# KiCad board PC110.kicad_pcb (continued)
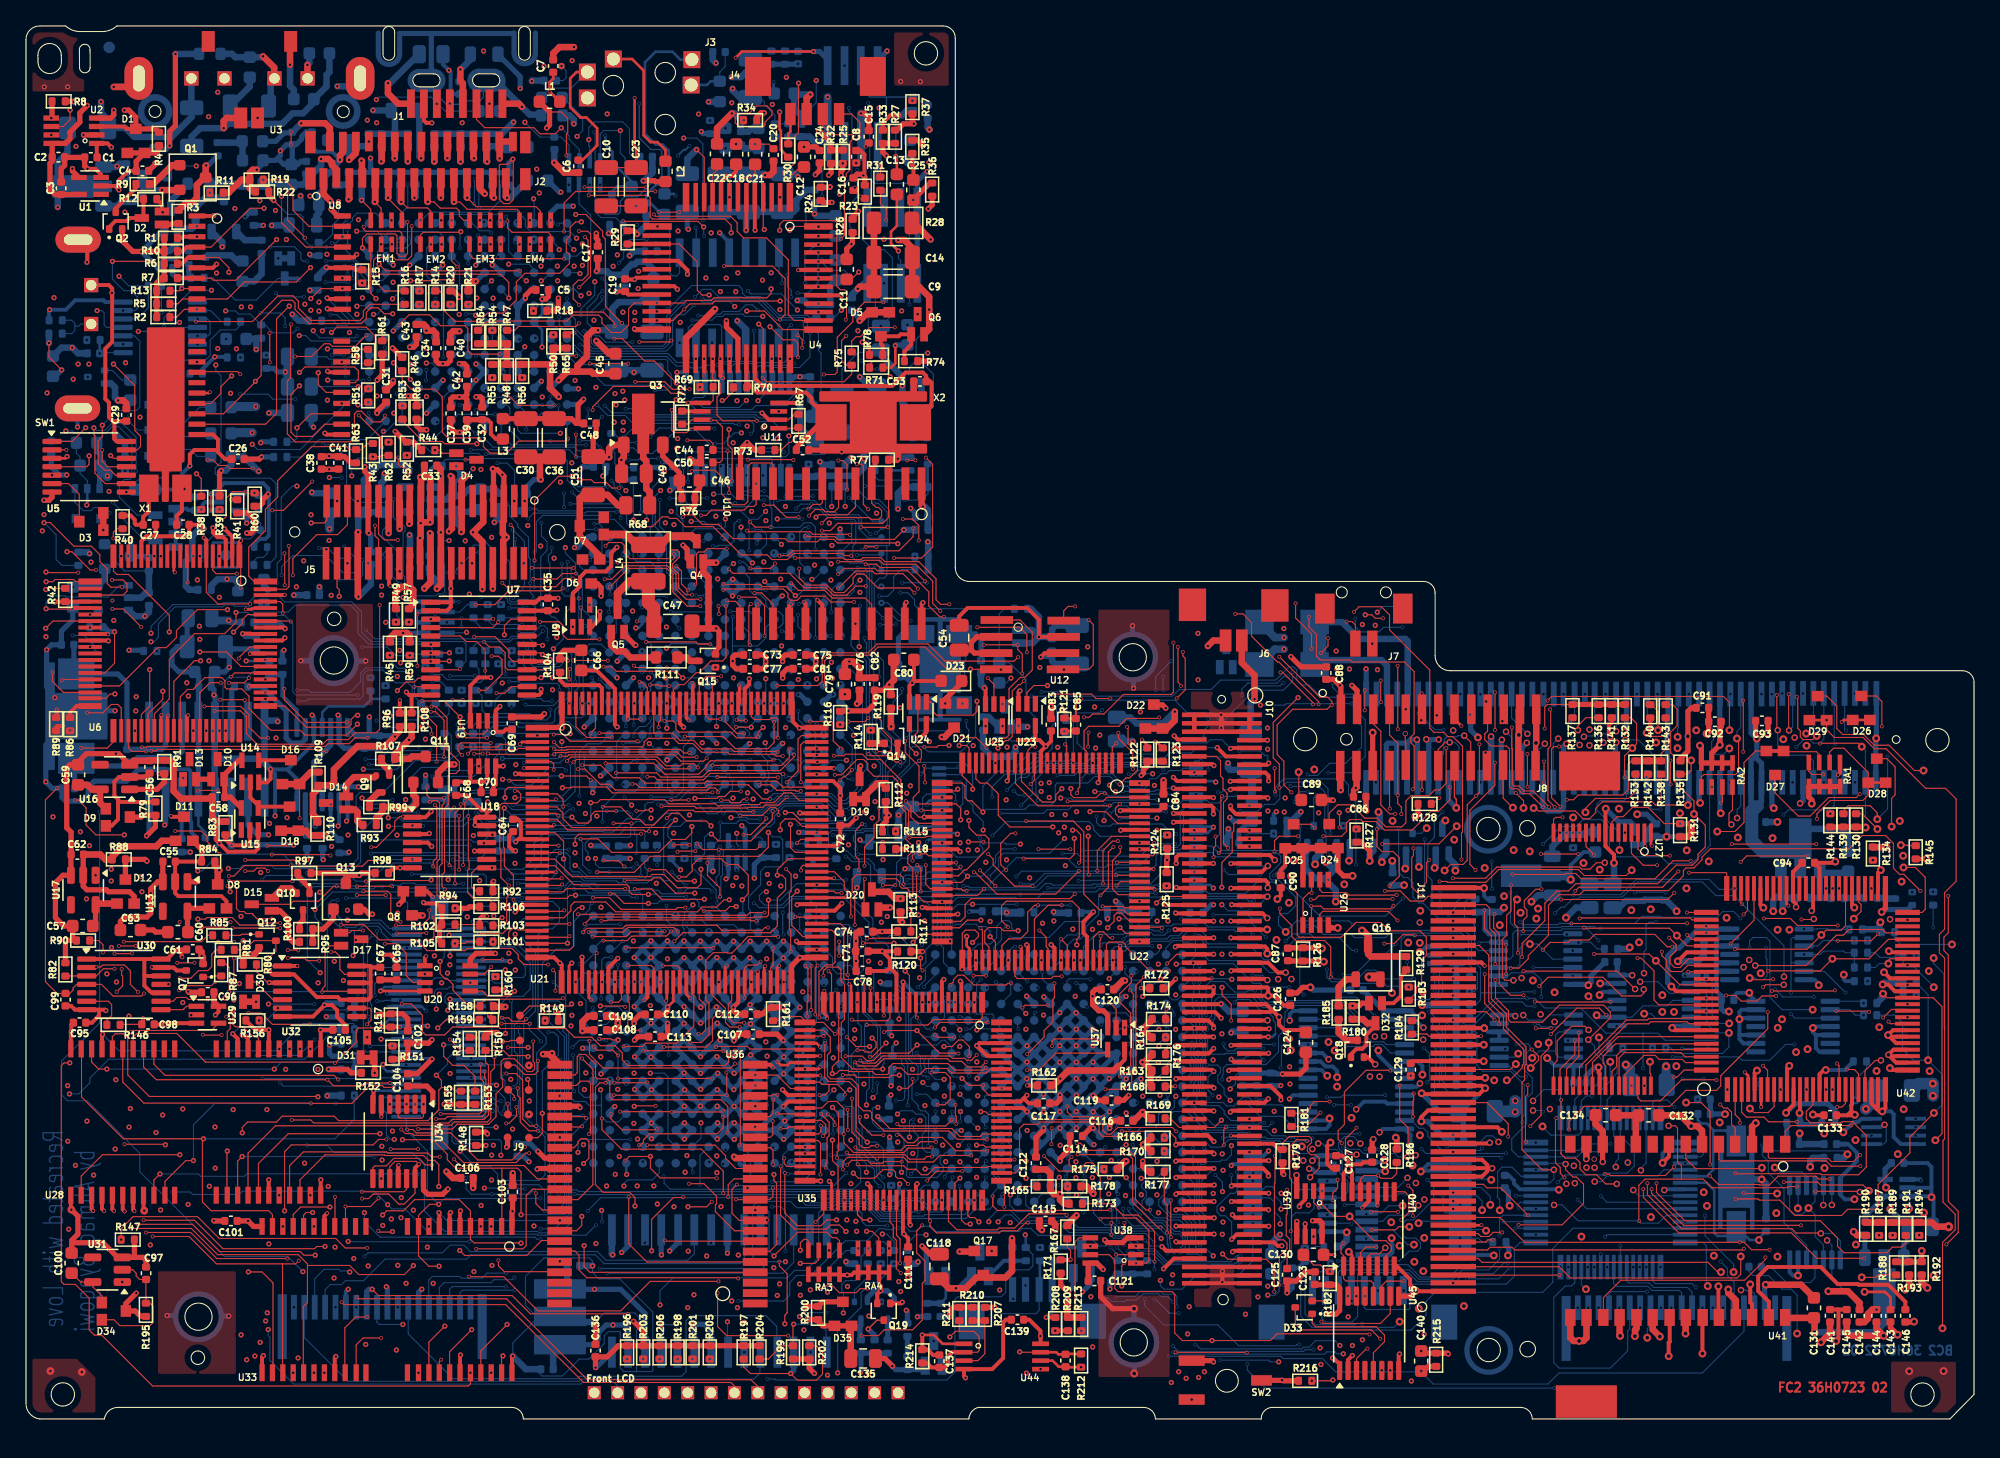
[diagram p0: board, top side]
## Routing (per net, layer and track width the routed paths; a pad name or vN(x,y) marks a point on that pad's centre or on a via; arc(x,y) is an arc through that point) (continued)
  IC4 w0.08: v1(73.73,45.38) 74.48,44.63 74.48,41.74 73.61,40.87 71.58,40.87 70.91,40.2 70.91,35.28 70.02,34.39 70.02,30.03 71.13,28.92 71.13,24.67 70.61,24.15 v1(69.24,24.15)
  BC1 w0.08: v7(70.77,18.65) 68.92,18.65 68.36,19.21 68.05,19.21 67.85,19.01 67.85,18.06 68,17.91 68,17.43 67.82,17.25 66.29,17.25 66.24,17.3 65.81,17.3 65.65,17.14 65.65,16.14 66.01,15.78 66.01,14.74 66.37,14.38 66.37,12.87 65.96,12.46 65.42,12.46 64.34,11.38 64.34,5.16 65.35,4.15 65.35,3.29 65.01,2.95 62.16,2.95 v1(61.74,3.37)
  BC2 w0.08: 71.3,19.27 71.3,19.28 71.3,19.28 70.77,18.75 v7(70.77,18.65) ; v1(73.73,45.38) 73.73,46.04 72.94,46.83 72.94,47.29 72.44,47.79 72.44,49.24 72.03,49.65 U59.19 ; v2(122.03,27.52) 122.03,26.05 121.3,25.32 U67.7
SA3: length 144.3
  FC2 w0.08: v3(68.29,26.2) 68.29,25.85 67.92,25.48 v1(67.27,25.48) ; v3(51.8,29.68) 52.05,29.68 52.35,29.98 52.35,31.88 51.86,32.36 U21.58 ; v3(68.63,47.41) 68.64,47.4 71.65,47.4 72,47.05 v1(72,46.17) ; v3(63.26,19.59) 63.6,19.93 64.82,19.93 65.04,19.71 65.96,19.71 66.08,19.83 v3(67.45,19.83) ; v3(54.69,16.92) 54.71,16.9 U36.11 57.29,16.9 57.53,17.14 v3(57.53,17.8) ; v3(68.63,30.93) 68.55,31.01 U35.11 ; v3(62.58,73.86) 62.91,73.86 63.24,73.53 v3(63.24,71.62)
  FC1 w0.08: v3(68.29,26.2) 68.83,26.74 68.83,27.77 68.18,28.42 68.18,30.48 v3(68.63,30.93) ; v3(54.69,16.92) 54.69,16.45 54.21,15.97 52.37,15.97 51.85,16.49 51.85,21.73 51.56,22.02 51.56,28.22 51.8,28.46 v3(51.8,29.68) ; v1(68.05,21.72) 68.05,21 67.45,20.4 v3(67.45,19.83) ; v3(61.04,87.25) 61.04,87.02 61.5,86.56 61.5,81.93 62.27,81.16 62.27,74.17 v3(62.58,73.86) ; v3(68.63,47.41) 68.63,48.99 68.39,49.23 67.04,49.23 66.5,48.69 65.41,48.69 63.9,50.2 63.9,51.19 64.4,51.69 64.4,58.48 63.21,59.67 63.21,66.86 63.78,67.43 63.78,71.08 v3(63.24,71.62) ; v3(57.53,17.8) 62.03,17.8 62.58,18.35 62.58,19.3 62.87,19.59 v3(63.26,19.59)
  IC2 w0.08: v1(67.27,25.48) 67.28,25.47 69.55,25.47 69.73,25.65 73.57,25.65 74.91,26.99 74.91,38.68 71.31,42.28 71.31,45.45 72,46.14 v1(72,46.17)
  BC1 w0.08: v1(68.05,21.72) 73.48,21.72 v7(73.84,21.36) ; v1(67.27,25.48) 67.28,25.47 68.74,25.47 68.96,25.25 68.96,24.88 68.35,24.27 v7(68.35,23.07)
  BC2 w0.08: v7(73.84,21.36) 73.84,21.84 ; U59.18 71.94,49.15 72.15,48.94 72.15,48.9 72.16,48.89 72.16,47.4 72.01,47.25 72.01,47.17 72,47.16 v1(72,46.17) ; v7(68.35,23.07) 68.15,23.07 68.05,22.97 v1(68.05,21.72)
SA4: length 176.1
  FC2 w0.08: v3(51.17,29.01) 52.03,29.01 52.61,29.59 52.61,32.04 52.36,32.29 U21.59 52.36,35.35 52.95,35.94 54.02,35.94 54.05,35.9 54.37,35.9 55.28,36.81 55.28,36.84 55.62,37.19 57.92,37.19 v3(57.94,37.16) ; v3(64,73.58) 64.34,73.58 64.5,73.42 64.5,70.48 v3(64.88,70.1) ; U35.12 68.05,34.18 v1(67.72,34.51) ; v3(68.96,46.89) 68.97,46.9 v3(70.57,46.9) ; v3(65.52,51.43) 66.53,51.43 66.66,51.56 66.66,52.38 65.9,53.14 65.9,53.8 v3(65.61,54.09) ; v3(62.63,36.78) 62.63,35.71 v3(62.64,35.7)
  FC1 w0.08: v3(51.17,29.01) 51.17,20.9 51.43,20.64 51.43,15.92 52.01,15.34 56.29,15.34 ; v3(68.96,46.89) 68.96,49.01 68.55,49.42 67.16,49.42 65.52,51.06 v3(65.52,51.43) ; v3(56.17,16.1) 56.31,15.96 56.31,15.36 56.29,15.34 ; 56.29,15.34 56.29,13.37 55.55,12.63 v1(54.87,12.63) ; v3(64,73.58) 64,74.93 62.46,76.47 62.46,81.27 61.67,82.06 61.67,87.8 61.57,87.9 v3(61.04,87.9) ; v3(57.94,37.16) 58.18,37.16 58.26,37.24 62.17,37.24 v3(62.63,36.78) ; v3(70.57,46.9) 71.68,46.9 71.85,46.73 v1(72.46,46.73) ; v3(65.61,54.09) 65.02,54.68 65.02,61.51 65.38,61.87 65.38,66.53 65.23,66.68 65.23,69.33 64.88,69.68 v3(64.88,70.1) ; v3(62.64,35.7) 65.57,35.7 65.66,35.61 66.62,35.61 v1(67.72,34.51)
  IC2 w0.08: v1(72.46,46.73) 71.66,46.73 71.11,46.18 71.11,45.17 71.12,45.16 71.12,41.64 72.76,40 73.16,40 74.69,38.47 74.69,29.03 73.76,28.1 68,28.1 67.69,28.41 67.69,29.93 68.03,30.27 68.03,30.28 68.43,30.68 68.43,33.8 v1(67.72,34.51)
  BC1 w0.08: v7(75.75,21.64) 76.13,21.26 76.13,19.11 75.94,18.92 74.74,18.92 74.49,18.67 74.49,16.97 73.96,16.44 69.85,16.44 68.87,15.46 67.97,15.46 v7(67.22,14.71) ; v7(71.61,47.55) 71.64,47.55 v1(72.46,46.73) ; v7(54.88,9.09) 54.87,9.1 v1(54.87,12.63)
  BC2 w0.08: v7(67.22,14.71) 66.88,14.71 66.76,14.59 66.21,14.59 66.14,14.66 65.71,14.66 64.78,13.73 63.12,13.73 60.45,11.06 59.38,11.06 58.83,10.51 58.83,9.55 58.37,9.09 v7(54.88,9.09) ; U59.17 71.03,48.65 71.61,48.07 v7(71.61,47.55) ; v7(75.75,21.64) 75.8,21.69 75.8,23.69 75.11,24.38
SA5: length 348.2
  FC2 w0.08: v1(59.51,102.94) 59.5,102.93 59.5,99.14 59.24,98.88 59.24,96.82 v3(58.41,95.99) ; v3(67.72,52.23) 67.72,51.37 68.79,50.3 68.79,48.34 68.34,47.89 68.34,46.82 68.78,46.38 v1(69.19,46.38) ; v3(54.95,21.1) 55.02,21.17 v3(55.02,28.27) ; v3(54.98,30.2) 54.23,30.2 53.88,30.55 53.88,31.64 52.86,32.66 U21.60 ; U35.15 66.55,30.91 66.33,30.69 63.7,30.69 v3(63.61,30.78) ; v3(64.68,67.21) 65.5,67.21 v3(65.51,67.2) ; v3(57.09,15.32) 56.19,15.32 U36.9 54.94,15.3 54.38,15.86 54.38,17.68 v3(54.76,18.06)
  FC2 w0.3: v3(59.48,88.53) 59.5,88.55 v3(61.04,88.55) ; v1(69.19,46.38) 69.21,46.4 U22.31
  FC1 w0.08: v3(54.95,21.1) 54.95,18.25 v3(54.76,18.06) ; v3(61.04,88.55) 61.68,88.55 61.84,88.39 61.84,82.19 62.63,81.4 62.63,77.03 65.04,74.62 65.04,71.44 64.35,70.75 64.35,69.48 64.81,69.02 64.81,67.6 64.68,67.47 v3(64.68,67.21) ; v3(58.41,95.99) 58.41,94.75 59.48,93.68 v3(59.48,88.53) ; v3(67.72,52.23) 67.29,52.66 66.38,52.66 66.04,53 66.04,54.19 65.19,55.04 65.19,61.37 65.56,61.74 65.56,67.15 v3(65.51,67.2) ; v1(57.6,11.66) 58.67,11.66 59.05,12.04 59.05,13.36 v3(57.09,15.32) ; v3(63.61,30.78) 62.32,32.07 60.54,32.07 60.16,31.69 60.16,31.57 59.82,31.23 59.02,31.23 58.67,30.88 55.02,30.88 54.77,30.63 54.77,30.41 v3(54.98,30.2) 54.98,29.9 55.34,29.54 55.34,28.59 v3(55.02,28.27)
  IC1 w0.08: v1(6.87,20.8) 6.87,15.11 10.05,11.93 20.06,11.93 22.53,14.4 27.54,14.4 28.2,13.74 36.63,13.74 37.64,12.73 43.76,12.73 44.84,13.81 49.62,13.81 50.87,12.56 51.5,12.56 52.2,13.26 55.48,13.26 57.08,11.66 v1(57.6,11.66)
  IC3 w0.08: v1(14.77,102.24) 14.83,102.3 20.72,102.3 24.8,98.22 43.84,98.22 47.44,101.82 52.11,101.82 52.44,102.15 58.72,102.15 v1(59.51,102.94)
  BC1 w0.08: v1(57.6,11.66) 58.32,10.94 58.33,10.94 58.52,10.75 58.52,9.53 59,9.05 60.31,9.05 60.85,9.59 60.85,15.11 60.23,15.73 60.23,17.99 62.03,19.79 v7(62.03,20.33) ; v1(14.77,102.24) 14.78,102.23 14.78,100.06 11.9,97.18 11.9,95.32 6.05,89.47 6.05,82.54 6.17,82.42 6.17,81.28 6.31,81.14 6.31,75.87 5.48,75.04 4.81,75.04 2.41,72.64 2.41,63.76 4.01,62.16 4.01,47.09 1.71,44.79 1.71,23.97 4.88,20.8 v1(6.87,20.8) ; v7(63.59,20.28) 63.89,19.98 64.41,19.98 64.75,20.32 64.75,20.77 64.43,21.09 64.43,21.73 v7(64.86,22.16)
  BC2 w0.08: v7(64.86,22.16) 67.1,22.16 67.63,21.63 67.63,21.03 67.88,20.78 67.88,19.18 67.81,19.11 67.81,18.77 67.97,18.61 70.18,18.61 70.65,19.08 70.65,19.48 70.42,19.71 70.42,20.12 70.85,20.55 71.3,20.55 ; v7(62.03,20.33) 63.54,20.33 v7(63.59,20.28) ; U59.16 69.35,48.15 69.07,47.87 69.07,47.03 69.19,46.91 v1(69.19,46.38)
SA6: length 150.3
  FC2 w0.08: U35.16 66.08,32.08 v3(66.08,31.09) ; v3(67.77,47.62) 68.16,47.23 68.16,46.4 68.66,45.9 U22.32 ; U36.8 54.58,14.5 53.1,15.98 53.1,16.49 53.2,16.58 53.2,17.16 52.22,18.13 v3(51.08,18.13) ; v3(64.89,54.02) 64.61,53.74 v3(63.35,53.74) ; v3(71.59,24.21) 71.59,23.4 71.66,23.33 v3(71.66,22.75) ; v3(71.82,28.16) 71.79,28.19 70.37,28.19 v1(68.63,29.93) 66.33,29.93 66.21,29.81 v3(66.1,29.81)
  FC1 w0.08: v3(71.82,28.16) 71.82,27.38 71.73,27.29 71.73,25.73 71.36,25.36 71.36,24.44 v3(71.59,24.21) ; v3(63.35,53.74) 63.35,53.28 63.16,53.09 63.16,51.59 63.68,51.07 63.68,50.6 63.34,50.26 63.34,49.85 64.85,48.34 64.85,48.18 65.4,47.63 v1(65.4,47.58) 65.44,47.62 v3(67.77,47.62) ; v3(61.04,89.2) 61.86,89.2 62.04,89.02 62.04,82.29 62.82,81.51 62.82,77.44 65.32,74.94 65.32,71.24 64.55,70.48 64.55,69.63 65.03,69.15 65.03,67.39 65.05,67.37 65.05,67.05 65.03,67.03 65.03,66.47 65.18,66.32 65.18,62.06 64.82,61.7 64.82,54.09 v3(64.89,54.02) ; v3(51.08,18.13) 51.08,18.58 51.24,18.74 51.24,19.44 50.91,19.77 v1(50.91,20.3) ; v3(66.1,29.81) 66.1,31.07 v3(66.08,31.09) ; v3(71.66,22.75) 71.66,21.81 71.82,21.65 v1(71.82,21.09) ; v1(59.83,32.92) 55.97,32.92 55.71,33.18 53.85,33.18 v3(53.36,33.67)
  IC1 w0.08: 50.91,20.37 v1(50.91,20.3) 51.41,20.8 62.34,20.8 62.67,21.13 62.67,21.85 63.28,22.46 67.69,22.46 68.7,23.47 69.44,23.47 v1(71.82,21.09) ; v1(68.63,29.93) 68.63,31.33 66.99,32.97 59.88,32.97 v1(59.83,32.92)
  IC4 w0.08: v1(68.63,29.93) 68.63,30.94 68.49,31.08 68.49,31.09 68.15,31.43 68.15,35.72 67.61,36.26 67.61,36.83 67.32,37.12 65.77,37.12 65.36,37.53 65.36,42.13 64.98,42.51 64.98,44.7 64.48,45.2 64.07,45.2 63.46,45.81 63.46,46.94 64.1,47.58 v1(65.4,47.58)
  BC1 w0.08: v1(65.4,47.58) 65.77,47.58 66.09,47.9 67.21,47.9 67.58,47.53 68.66,47.53 68.89,47.3 v7(69.39,47.3)
  BC2 w0.08: 72.57,21.81 72.58,21.82 U74.E3 72.55,21.82 v1(71.82,21.09)
  BC2 w0.2: U59.15 69.59,47.65 69.39,47.45 v7(69.39,47.3)
SA7: length 190.9
  FC2 w0.08: v3(64.36,6.42) 65.66,6.42 66.11,6.87 68.29,6.87 69.04,7.62 69.04,10.45 69.25,10.66 69.25,12.16 68.61,12.8 68.61,14.5 v3(69.03,14.92) ; U36.7 49.26,13.7 v3(49.2,13.76) ; v3(69.42,18.37) 70.14,19.09 v3(72.12,19.09) ; v3(71.99,42.56) 71.78,42.35 U22.39 ; v3(53.55,31.22) 53.25,31.22 52.88,30.85 52.88,29.55 52.89,29.53 52.89,29.15 52.41,28.67 v3(49.14,28.67) ; v3(53.27,9.72) 53.27,7.12 53.97,6.42 v3(58.71,6.42) ; v3(68.77,67.7) 68.77,68.85 68.27,69.35 v3(67.54,69.35)
  FC2 w0.2: v3(53.98,34.94) 53.86,34.82 U21.62
  FC1 w0.08: v3(67.54,69.35) 67.54,70.61 68.18,71.25 68.18,74.81 65.94,77.05 63.79,77.05 63,77.84 63,81.59 62.25,82.34 62.25,89.73 62.08,89.9 v3(61.04,89.9) ; v3(68.77,67.7) 68.77,66.17 68.1,65.5 68.1,63.37 68.26,63.21 68.26,62.68 68.28,62.68 70.09,60.87 71,60.87 71.5,60.37 71.5,56.96 72.65,55.81 72.65,54.46 72.52,54.33 72.52,50.85 74.79,48.58 74.79,42.55 73.68,41.44 72.29,41.44 71.99,41.74 v3(71.99,42.56) 71.99,43.01 71.53,43.47 71.53,43.99 v1(71.94,44.4) ; v3(49.14,28.67) 49.14,24.87 48.87,24.6 48.87,23.08 49.2,22.75 v3(49.2,13.76) 50.01,13.76 50.52,13.25 50.52,12.12 52.92,9.72 v3(53.27,9.72) ; v3(53.55,31.22) 53.74,31.41 53.74,31.82 53.04,32.52 53.04,34.3 53.68,34.94 v3(53.98,34.94) 55.22,34.94 56.15,34.01 56.7,34.01 56.96,34.27 58.63,34.27 58.96,33.94 60.71,33.94 61.05,33.6 62.63,33.6 63.07,33.16 64.13,33.16 65.18,32.11 v3(65.55,32.11) ; v3(72.12,19.09) 72.13,19.1 72.13,19.44 72.39,19.7 72.39,19.96 72.28,20.07 72.28,21.6 72.26,21.62 72.26,21.67 72.05,21.88 v1(72.05,22.23) ; v3(69.42,18.37) 69.42,17.93 68.7,17.21 68.7,16.22 69.38,15.54 69.79,15.54 69.94,15.39 69.94,15.12 69.74,14.92 v3(69.03,14.92) ; v3(64.36,6.42) v3(58.71,6.42)
  IC4 w0.08: v1(72.05,22.23) 70.75,22.23 69.44,23.54 68.98,23.54 68.78,23.74 68.78,24.74 69.6,25.56 69.6,34.79 70.03,35.22 70.03,36.22 68.11,38.14 68.11,39.78 70.03,41.7 70.03,43.63 70.8,44.4 v1(71.94,44.4)
  BC1 w0.08: v1(71.94,44.4) 71.49,44.4 71.21,44.68 v7(71.21,47.15)
  BC2 w0.2: v7(71.21,47.15) U59.14
  BC2 w0.3: 71.3,21.82 71.72,22.23 v1(72.05,22.23)
SA8: length 145.7
  FC2 w0.08: v3(65.05,33.23) U35.18 ; v3(68.51,73.88) 68.5,73.87 v3(67.88,73.87) ; U21.63 54.36,32.23 54.1,31.97 54.1,30.93 54.5,30.53 v3(55.31,30.53) ; v1(72.63,46.12) 72.63,45.58 73.22,44.99 73.88,44.99 74.16,44.71 74.17,44.71 74.17,44.05 72.44,42.32 72.29,42.32 71.82,41.85 U22.40 ; v3(69.25,49.05) 69.24,49.06 69.24,49.68 69.19,49.73 v3(69.19,50.33) ; v1(57.61,18.84) 57.61,18.38 57.82,18.17 57.82,13.45 57.27,12.9 U36.6
  FC1 w0.08: v3(55.31,30.53) 55.31,30.27 56.52,29.06 v1(56.99,29.06) ; v3(69.19,50.33) 69.19,51.31 68.81,51.69 68.37,51.69 68.08,51.98 68.08,52.4 67.61,52.87 66.48,52.87 66.24,53.11 66.24,54.37 65.4,55.21 65.4,61.15 65.79,61.54 65.79,66.78 65.9,66.89 65.9,71.21 67.88,73.19 v3(67.88,73.87) ; v3(68.51,73.88) 68.51,75.43 66.34,77.6 64.14,77.6 63.21,78.53 63.21,81.7 62.44,82.47 62.44,85.69 63.16,86.41 63.16,86.86 62.43,87.59 62.43,90.11 62.04,90.5 v3(61.04,90.5) ; v1(72.63,46.12) 72.22,45.71 71.79,45.71 71.17,46.33 70.35,46.33 69.25,47.43 v3(69.25,49.05) ; v3(65.05,33.23) 68.12,33.23 68.82,33.93 68.82,33.99 v1(68.83,34)
  IC1 w0.08: v1(56.99,29.06) 56.99,31.88 58.59,33.48 60.31,33.48 60.56,33.23 68.06,33.23 v1(68.83,34)
  IC4 w0.08: v1(57.61,18.84) 57.61,19.2 57.54,19.27 57.55,19.28 57.55,24.35 57.63,24.43 57.63,28.42 v1(56.99,29.06) ; v1(68.83,34) 69.39,34.56 69.39,36.39 67.89,37.89 67.89,40.02 69.82,41.95 69.82,44.74 70.63,45.55 72.4,45.55 72.63,45.78 v1(72.63,46.12)
  BC1 w0.08: v7(68.6,28.22) 68.13,28.69 68.13,30.66 68.87,31.4 68.87,32.19 68.41,32.65 68.41,33.58 v1(68.83,34) ; v7(73.49,44.78) 72.63,45.64 v1(72.63,46.12) ; v7(69.46,26.29) 69.65,26.1 69.65,24.66 70.07,24.24 v7(70.07,23.7)
  BC2 w0.08: U59.8 71.05,44.15 71.23,43.97 71.23,43.74 71.67,43.3 73.35,43.3 73.71,43.66 73.71,43.99 73.49,44.21 v7(73.49,44.78) ; v7(68.6,28.22) 68.89,27.93 68.89,27.19 68.95,27.13 68.95,26.57 69.08,26.44 69.28,26.44 69.43,26.29 v7(69.46,26.29) ; v7(70.07,23.7) 70.07,23.13 U74.F1
SA9: length 156.5
  FC2 w0.08: v3(56.58,35.24) 56.32,34.98 55.6,34.98 55.36,34.74 U21.65 55.36,32.47 v3(55.35,32.46) ; v3(67.59,41.2) 67.59,41.68 67.33,41.94 63.97,41.94 63.64,41.61 63.64,40.62 63.84,40.42 v3(63.84,38.07) ; v3(53.73,28.34) 53.69,28.38 v3(47.54,28.38) ; v3(62.94,37.47) 62.99,37.42 62.99,33.97 63.09,33.87 64.16,33.87 64.55,33.48 U35.19 ; v3(70.57,41.35) 72.06,41.35 v1(72.53,41.82)
  FC1 w0.08: v3(67.59,41.2) 67.66,41.27 68.3,41.27 68.38,41.35 v3(70.57,41.35) ; v3(53.73,28.34) 53.93,28.54 53.93,32.07 54.19,32.33 55.22,32.33 v3(55.35,32.46) ; v1(72.53,41.82) 73.61,41.82 74.62,42.83 74.62,48.35 72.34,50.63 72.34,53.88 71.48,54.74 71.48,55.56 71.1,55.94 71.1,59.93 70.57,60.46 69.23,60.46 67.13,62.56 67.13,65.24 68.01,66.12 68.01,69.36 68.47,69.82 68.47,70.62 68.8,70.95 68.8,76.32 66.95,78.17 64.29,78.17 63.45,79.01 63.45,81.84 62.85,82.44 62.85,85.02 63.36,85.53 63.36,87.06 62.63,87.79 62.63,90.27 61.75,91.15 v3(61.04,91.15) ; v3(56.58,35.24) 56.58,36.97 57.12,37.51 62.9,37.51 v3(62.94,37.47) 63.24,37.47 v3(63.84,38.07) ; v3(41.12,12.15) 41.12,12.3 43.67,14.85 46.8,14.85 47.54,15.59 v3(47.54,28.38)
  BC1 w0.08: v7(75.56,24.95) 75.53,24.98 75.53,37.36 75.85,37.68 75.85,38.39 76.18,38.72 76.18,39.36 75.98,39.56 75.98,41.95 76.41,42.38 76.41,43.75 76.23,43.93 v7(76.16,43.93)
  BC2 w0.08: v7(75.56,24.95) 75.55,24.96 73.98,24.96 73.84,24.82 73.84,24.38 ; v7(76.16,43.93) 75.2,43.93 74.68,43.41 74.68,42.87 73.63,41.82 v1(72.53,41.82) 71.29,43.06 71.29,43.34 70.98,43.65 U59.7
SA10: length 112.6
  FC2 w0.08: v3(54.86,10.83) 54.81,10.88 43.2,10.88 42.6,11.48 42.6,12.62 42.27,12.95 41.12,12.95 ; v3(62.93,19.23) 62.93,19.81 63.28,20.16 65.43,20.16 v3(65.53,20.06) 65.64,20.17 67.59,20.17 67.96,19.8 69.88,19.8 70.39,20.31 v3(72.81,20.31) ; v3(63.62,24.69) 63.62,22.09 64.17,21.54 64.17,21.17 64.43,20.91 64.94,20.91 65.08,21.05 v3(65.54,21.05)
  FC1 w0.08: v3(62.93,19.23) 62.93,18.06 61.17,16.3 61.17,12.09 60.03,10.95 54.98,10.95 v3(54.86,10.83) ; v3(63.62,24.69) 63.93,25 63.93,26.51 64.61,27.19 64.61,29.56 65.2,30.15 65.2,30.96 v3(64.05,32.11) 63.68,32.11 62.43,33.36 60.97,33.36 60.59,33.74 58.87,33.74 58.53,34.08 58.05,34.08 57.64,33.67 v3(55.86,33.67) ; v3(65.53,20.06) 65.54,20.07 v3(65.54,21.05) ; v3(72.81,20.31) 72.81,21.91 v1(73.32,22.42)
  IC4 w0.08: v1(73.32,22.42) 73.32,22.47 72.82,22.97 72.82,26.76 72.52,27.06 72.52,31.36 75.72,34.56 76.41,34.56 77.71,35.86 77.71,39.13 78.47,39.89 78.47,46.92 78.77,47.22 79.07,47.22 v1(79.7,47.85)
  BC1 w0.08: v7(87.11,47.74) 86.61,47.24 86.61,45.04 88.41,43.24 89.54,43.24 v7(90.13,42.65)
  BC2 w0.08: 72.57,23.11 73.26,22.42 v1(73.32,22.42) ; v7(87.11,47.74) 86.38,47.74 86.33,47.69 80.63,47.69 80.47,47.85 v1(79.7,47.85)
SA11: length 205.3
  FC2 w0.08: v3(56.36,34.48) U21.67 ; v1(33.41,12.98) 33.79,12.6 38.57,12.6 39.72,13.75 41.12,13.75
  FC2 w0.2: U35.21 63.55,33.38 v3(63.41,33.52)
  FC1 w0.08: 62.75,34.18 62.75,34.42 63.05,34.72 64.96,34.72 65.38,35.14 v1(65.81,35.14) ; 62.75,34.18 62.75,33.86 63.09,33.52 v3(63.41,33.52) ; 62.75,34.18 62.3,34.18 61.94,33.82 61.13,33.82 60.83,34.12 59.05,34.12 58.72,34.45 56.39,34.45 v3(56.36,34.48)
  IC1 w0.08: v1(65.81,35.14) 65.81,34.67 64.99,33.85 35.26,33.85 34.11,35 v1(32.65,35)
  IC2 w0.08: v1(69.55,96.83) 67.83,98.55 51.47,98.55 50.92,98 35.44,98 33.6,99.84 v1(33.6,99.89)
  IC4 w0.08: v1(32.65,35) 33.35,35 33.78,34.57 33.78,17.65 34.46,16.97 34.46,14.03 v1(33.41,12.98)
  BC1 w0.08: v7(72.43,53.8) 72.43,56.8 v7(72.42,56.81) ; v7(72.39,59.11) 71.76,59.11 68.6,62.27 68.6,65.91 68.94,66.25 68.94,68.43 69.73,69.22 69.73,78.9 v7(68.05,80.58) ; v7(69,83.63) 69,96.59 69.24,96.83 v1(69.55,96.83) ; v7(72.62,52.56) 72.3,52.24 72.3,50.15 70.32,48.17 70.32,43.16 v7(70.33,43.15) 70.33,42.67 69.81,42.15 68.29,42.15 68.03,41.89 67.17,41.89 66.68,41.4 65.45,41.4 65.27,41.22 65.27,39.32 65.08,39.13 65.08,35.87 v1(65.81,35.14) 66.23,34.72 66.23,29.67 65.82,29.26 65.82,28.59 65.61,28.38 65.61,27.64 65.89,27.36 69.23,27.36 69.57,27.02 69.57,26.71 69.97,26.31 69.97,24.85 70.51,24.31 v7(70.71,24.31)
  BC2 w0.08: v7(69,83.63) 68.56,83.19 68.56,81.57 68.05,81.06 v7(68.05,80.58) ; v7(70.71,24.31) 70.76,24.36 71.3,24.36 71.3,24.36 71.3,24.35 ; v7(72.42,56.81) 72.42,57.22 72.3,57.34 72.3,58.42 72.39,58.51 v7(72.39,59.11) ; v7(72.62,52.56) 72.62,53.11 72.43,53.3 v7(72.43,53.8)
SA12: length 121.9
  FC2 w0.08: v3(79.04,28.74) 79.04,29.12 79.21,29.29 v3(82.61,29.29) ; v1(42.81,15.61) 42.81,14.91 42.4,14.5 U36.41 ; v1(65.99,26.96) 63.69,26.96 62.8,27.85 62.8,30.55 63.05,30.8 63.05,33.49 62.77,33.77 62.77,34.62 62.57,34.82 61.72,34.82 61.42,34.52 v3(61.42,34.17) ; v3(40.6,34.58) 40.78,34.4 v3(40.78,33) ; v3(56.27,38.39) 55.87,38.39 55.81,38.45 44.81,38.45 44.76,38.4 v3(44.32,38.4) ; v3(78.99,21.18) 79,21.19 v3(79,22.41)
  FC2 w0.2: v3(56.94,34.9) 56.86,34.82 U21.68
  FC1 w0.08: v3(79.04,28.74) 79.04,23.58 78.99,23.53 78.99,22.42 v3(79,22.41) ; v3(40.78,33) 40.78,32.23 40.96,32.05 41.51,32.05 41.87,32.41 42.31,32.41 v1(42.71,32.01) ; v3(44.32,38.4) 44.32,38.03 44.14,37.85 44.14,36.45 44.27,36.32 44.27,35.32 43.53,34.58 v3(40.6,34.58) ; v3(56.27,38.39) 56.22,38.34 56.22,35.15 56.47,34.9 v3(56.94,34.9) 57.21,34.63 58.93,34.63 59.23,34.33 60.96,34.33 61.12,34.17 v3(61.42,34.17) ; v3(78.99,21.18) 75.8,21.18 73.85,23.13 72.89,23.13 72.58,23.44 72.58,24.38 v1(71.94,25.02) ; v3(82.61,29.29) 83.75,29.29 v3(84.62,30.16)
  IC3 w0.08: v1(71.94,25.02) 71.28,25.02 69.75,26.55 67.98,26.55 67.6,26.93 66.02,26.93 v1(65.99,26.96)
  IC4 w0.08: v1(42.71,32.01) 42.35,32.37 42.32,32.37 42.24,32.45 41.68,32.45 41.52,32.29 41.52,30.91 41.24,30.63 41.24,28.71 41.5,28.45 41.5,16.25 42.14,15.61 v1(42.81,15.61)
  BC1 w0.08: v7(71.32,41.95) 68.72,41.95 67.54,40.77 67.54,39.16 67.04,38.66 67.04,38.01 67.52,37.53 67.52,36.22 67.64,36.1 67.64,35.46 68.22,34.88 68.22,33.23 67.28,32.29 67.05,32.29 66.66,31.9 66.66,30.66 67.66,29.66 67.66,28.64 66.89,27.87 v7(66.12,27.87)
  BC2 w0.08: v1(71.94,25.02) 71.94,25.01 72.57,24.38 ; U59.5 71.18,42.65 71.32,42.51 v7(71.32,41.95) ; v1(65.99,26.96) 65.99,27.28 66.1,27.39 66.1,27.85 v7(66.12,27.87)
SA13: length 61.9
  FC2 w0.08: U21.69 57.36,34.75 57.55,34.94 v3(57.55,36.3) ; v3(67.65,37.03) 67.25,37.03 67.23,37.05 65.25,37.05 65.22,37.02 v3(64.8,37.02) ; v3(75.88,33.56) 75.61,33.56 75.5,33.45 72.99,33.45 72.24,34.2 71.78,34.2 71.44,33.86 71.44,33.69 v3(71.21,33.46) ; v3(83.41,32.13) 83.97,31.57 U37.2
  FC1 w0.08: v3(83.41,32.13) 79.53,32.13 78.1,33.56 v3(75.88,33.56) ; v3(64.8,37.02) 64.8,36.46 64.54,36.2 63.02,36.2 62.75,36.47 60.27,36.47 60.1,36.3 v3(57.55,36.3) ; v1(68.76,38.84) 67.65,37.73 v3(67.65,37.03) 67.65,35.71 68.27,35.09 69.34,35.09 69.94,34.49 69.94,34.14 70.62,33.46 v3(71.21,33.46)
  BC1 w0.08: v1(68.76,38.84) 68.33,39.27 68.33,40.99 68.57,41.23 v7(69.12,41.23) ; v7(67.94,38.84) 67.94,38.03 67.7,37.79 67.7,36.33 67.84,36.19 67.84,35.58 68.56,34.86 68.94,34.86 69.48,34.32 69.48,30.42 69.38,30.32 69.38,29.96 69.74,29.6 69.74,28.78 71.35,27.17 v7(71.35,25.79)
  BC2 w0.08: U59.4 69.48,42.15 69.13,41.8 68.26,41.8 68.14,41.92 67.75,41.92 67.54,41.71 67.54,41.43 67.74,41.23 v7(69.12,41.23) ; 71.3,25.65 71.35,25.7 v7(71.35,25.79) ; v7(67.94,38.84) v1(68.76,38.84)
SA14: length 44.9
  FC2 w0.08: U35.24 62.05,34.27 v3(61.82,34.5)
  FC2 w0.2: v3(58.01,34.92) 57.86,34.77 U21.70
  FC1 w0.08: v1(65.89,38.28) 65.14,37.53 65.14,36.46 64.7,36.02 62.22,36.02 61.82,35.62 v3(61.82,34.5) 61.8,34.52 59.44,34.52 59.04,34.92 v3(58.01,34.92)
  BC1 w0.08: v1(65.89,38.28) 65.62,38.55 65.62,38.9 65.91,39.19 65.91,40.14 66.7,40.93 67.2,40.93 ; 67.2,40.93 67.2,41.24 67.51,41.55 v7(67.85,41.55) ; 67.2,40.93 v7(67.2,40.25) ; v7(70.19,36.59) 70.28,36.5 70.28,32.33 70.81,31.8 72.71,31.8 73.11,31.4 v7(73.11,31.32) ; v7(74.48,25.3) 74.48,25.85 74.63,26 74.63,30.43 74.53,30.53 v7(74.53,30.79)
  BC2 w0.08: v7(74.53,30.79) 74.53,31.11 74.44,31.2 73.23,31.2 v7(73.11,31.32) ; v7(67.85,41.55) 67.91,41.61 69.42,41.61 69.46,41.65 U59.3 ; 73.84,25.65 74.13,25.65 v7(74.48,25.3) ; v7(67.2,40.25) 69.74,40.25 70.19,39.8 v7(70.19,36.59)
SA15: length 44.7
  FC2 w0.08: U35.25 61.49,32.15 v3(61.49,32.99) ; v3(73.23,28.05) 72.82,27.64 72.46,27.64 72.32,27.79 71.36,27.79 71.18,27.97 65.98,27.97 65.43,27.42 64.47,27.42 v3(64.27,27.62)
  FC2 w0.2: U35.25 61.47,32.09 61.47,31.25 61.7,31.02 v3(61.7,30.85)
  FC1 w0.08: v3(61.7,30.85) 61.7,29.83 61.88,29.65 61.88,29.49 62.33,29.05 63.47,29.05 63.67,28.84 64.22,28.84 64.43,28.62 64.43,28.2 64.27,28.04 v3(64.27,27.62) 64.26,27.63 ; v3(73.23,28.05) 73.86,28.68 73.86,29.36 v1(73.24,29.98) ; v3(61.49,32.99) 60.75,32.99 60.25,33.49 58.54,33.49 v3(58.36,33.67)
  BC1 w0.08: v7(71.32,41.09) 69.74,39.51 69.74,38.1 v7(69.34,37.7) ; v7(69.02,36.54) 69.41,36.54 70.07,35.88 70.07,32.02 70.48,31.61 71.86,31.61 72.29,31.18 72.29,30.93 v1(73.24,29.98) 72.75,29.49 72.75,28.6 71.7,27.55 71.7,25.88 v7(71.98,25.6)
  BC2 w0.08: v7(69.34,37.7) 69.34,36.86 v7(69.02,36.54) ; 72.57,25.65 72.03,25.65 v7(71.98,25.6)
  BC2 w0.2: U59.2 71.26,41.15 v7(71.32,41.09)
SD0: length 292
  FC2 w0.08: v3(63.13,27.96) 64.41,27.96 64.75,27.62 65.27,27.62 65.84,28.19 68.01,28.19 v1(68.64,28.82) ; v4(142.88,27.63) 142.45,27.63 141.65,26.83 U42.22 ; v3(45.32,83.25) 45.94,83.25 47.66,81.53 48.4,81.53 v1(50.09,79.84) ; v1(56.78,53.3) 56.38,52.9 v3(56.38,52.57) 56.3,52.49 54.73,52.49 54.29,52.93 50.28,52.93 50.06,53.15 50.06,53.59 49.86,53.79 v3(49.18,53.79) ; v4(120.34,29.22) 122.03,30.91 122.03,31.37 121.51,31.89 118.11,31.89 116.8,30.58 114.38,30.58 114.2,30.76 114.2,31.45 113.19,32.46 v3(113.19,33.83) ; U36.17 57.34,21.7 57.52,21.88 v3(57.52,22.95)
  FC2 w0.2: U22.46 71.52,38.85 71.57,38.9 v1(71.77,38.9) ; v3(60,26.96) 61.03,26.96 v3(61.21,27.14)
  FC2 w0.3: v3(112.35,34.93) 112.1,35.18 109.93,35.18
  FC1 w0.08: v3(112.35,34.93) 112.05,34.63 112.05,34.06 112.28,33.83 v3(113.19,33.83) ; v3(57.52,22.95) 57.13,23.34 57.13,25.85 57.44,26.16 59.47,26.16 60,26.69 v3(60,26.96) ; v3(63.13,27.96) 62.31,27.14 v3(61.21,27.14) ; v3(45.32,83.25) 45.32,82.53 44.73,81.94 44.73,76.46 46.62,74.57 46.62,70.6 46.31,70.29 46.31,65.23 48.63,62.91 48.63,54.34 v3(49.18,53.79) ; v3(56.38,52.57) 56.38,50.26 58.27,48.37 58.27,47.75 58.42,47.6 60.68,47.6 60.91,47.37 v3(60.91,47.17)
  IC1 w0.08: v4(120.34,29.22) 121.88,30.76 129.49,30.76 129.77,30.48 v2(131.19,30.48)
  IC2 w0.08: v1(68.64,28.82) 69.19,28.82 69.92,29.55 69.92,37.99 70.83,38.9 v1(71.77,38.9)
  IC3 w0.08: v1(68.64,28.82) 69.23,28.82 69.74,29.33 69.74,29.74 70.53,30.53 71,30.53 71.29,30.24 71.29,28.62 71.67,28.24 72.27,28.24 72.39,28.36 83.83,28.36 85.1,29.63 87.4,29.63 90.42,32.65 93.56,32.65 94.26,31.95 95.62,31.95 95.93,32.26 98.09,32.26 98.1,32.25 101.95,32.25 102.09,32.39 107.95,32.39 108.28,32.06 117.5,32.06 v4(120.34,29.22) ; v4(142.88,27.63) 142.84,27.67 139.15,27.67 137.59,29.23 132.44,29.23 v2(131.19,30.48) ; v1(79.47,51.76) 78.92,51.21 69.31,51.21 67.92,52.6 64.31,52.6 63.99,52.28 63.43,52.28 63.13,52.58 57.5,52.58 v1(56.78,53.3)
  IC4 w0.08: v1(71.77,38.9) 71.77,39.59 72.29,40.11 76.87,40.11 78.28,41.52 78.28,47.59 77.74,48.13 77.74,50.03 v1(79.47,51.76)
  BC1 w0.08: v7(52.1,74) 51.13,74.97 51.13,77.02 50.54,77.61 50.54,79.39 v1(50.09,79.84) ; v7(111.19,26.79) 111.85,26.13 111.85,25.3 112.09,25.06 116.34,25.06 116.53,24.87 116.53,23.55 117.31,22.77 119.13,22.77 119.3,22.94 v7(119.3,23.2) ; v7(87.61,50.04) 88.63,50.04 88.96,49.71 88.96,49.15 89.96,48.15 v7(90.13,48.15) ; v7(79.46,49.6) 79.46,51.75 v1(79.47,51.76) ; v7(56.38,52.89) 56.38,52.9
  BC1 w0.2: 56.38,52.9 v1(56.78,53.3)
  BC2 w0.08: 71.3,28.17 71.3,28.67 70.79,29.18 70.53,29.18 70.17,28.82 v1(68.64,28.82) ; v7(79.46,49.6) 80.76,49.6 81.08,49.92 83.58,49.92 83.91,50.25 87.4,50.25 v7(87.61,50.04) ; 129.44,34.14 129.88,33.7 129.88,31.02 130.42,30.48 v2(131.19,30.48) ; v4(120.34,29.22) 120.82,28.74 120.82,28.24 121.58,27.48 121.58,26.36 120.48,25.26 119.94,25.26 119.3,24.62 v7(119.3,23.2) ; v7(52.1,74) 57.38,74 57.49,73.89 57.49,73.81 57.5,73.81 U49.3
